# Altium PCB ZhuKong.PcbDoc (part 1 of 6)
Units mm, origin at the board's own origin, x right, y up, seen from the top; angles counter-clockwise.
Board outline 178.45 x 113.25 mm, 2 copper layers (Top Layer, Bottom Layer); 395 components, 351 nets, 1367 pads, 848 vias.
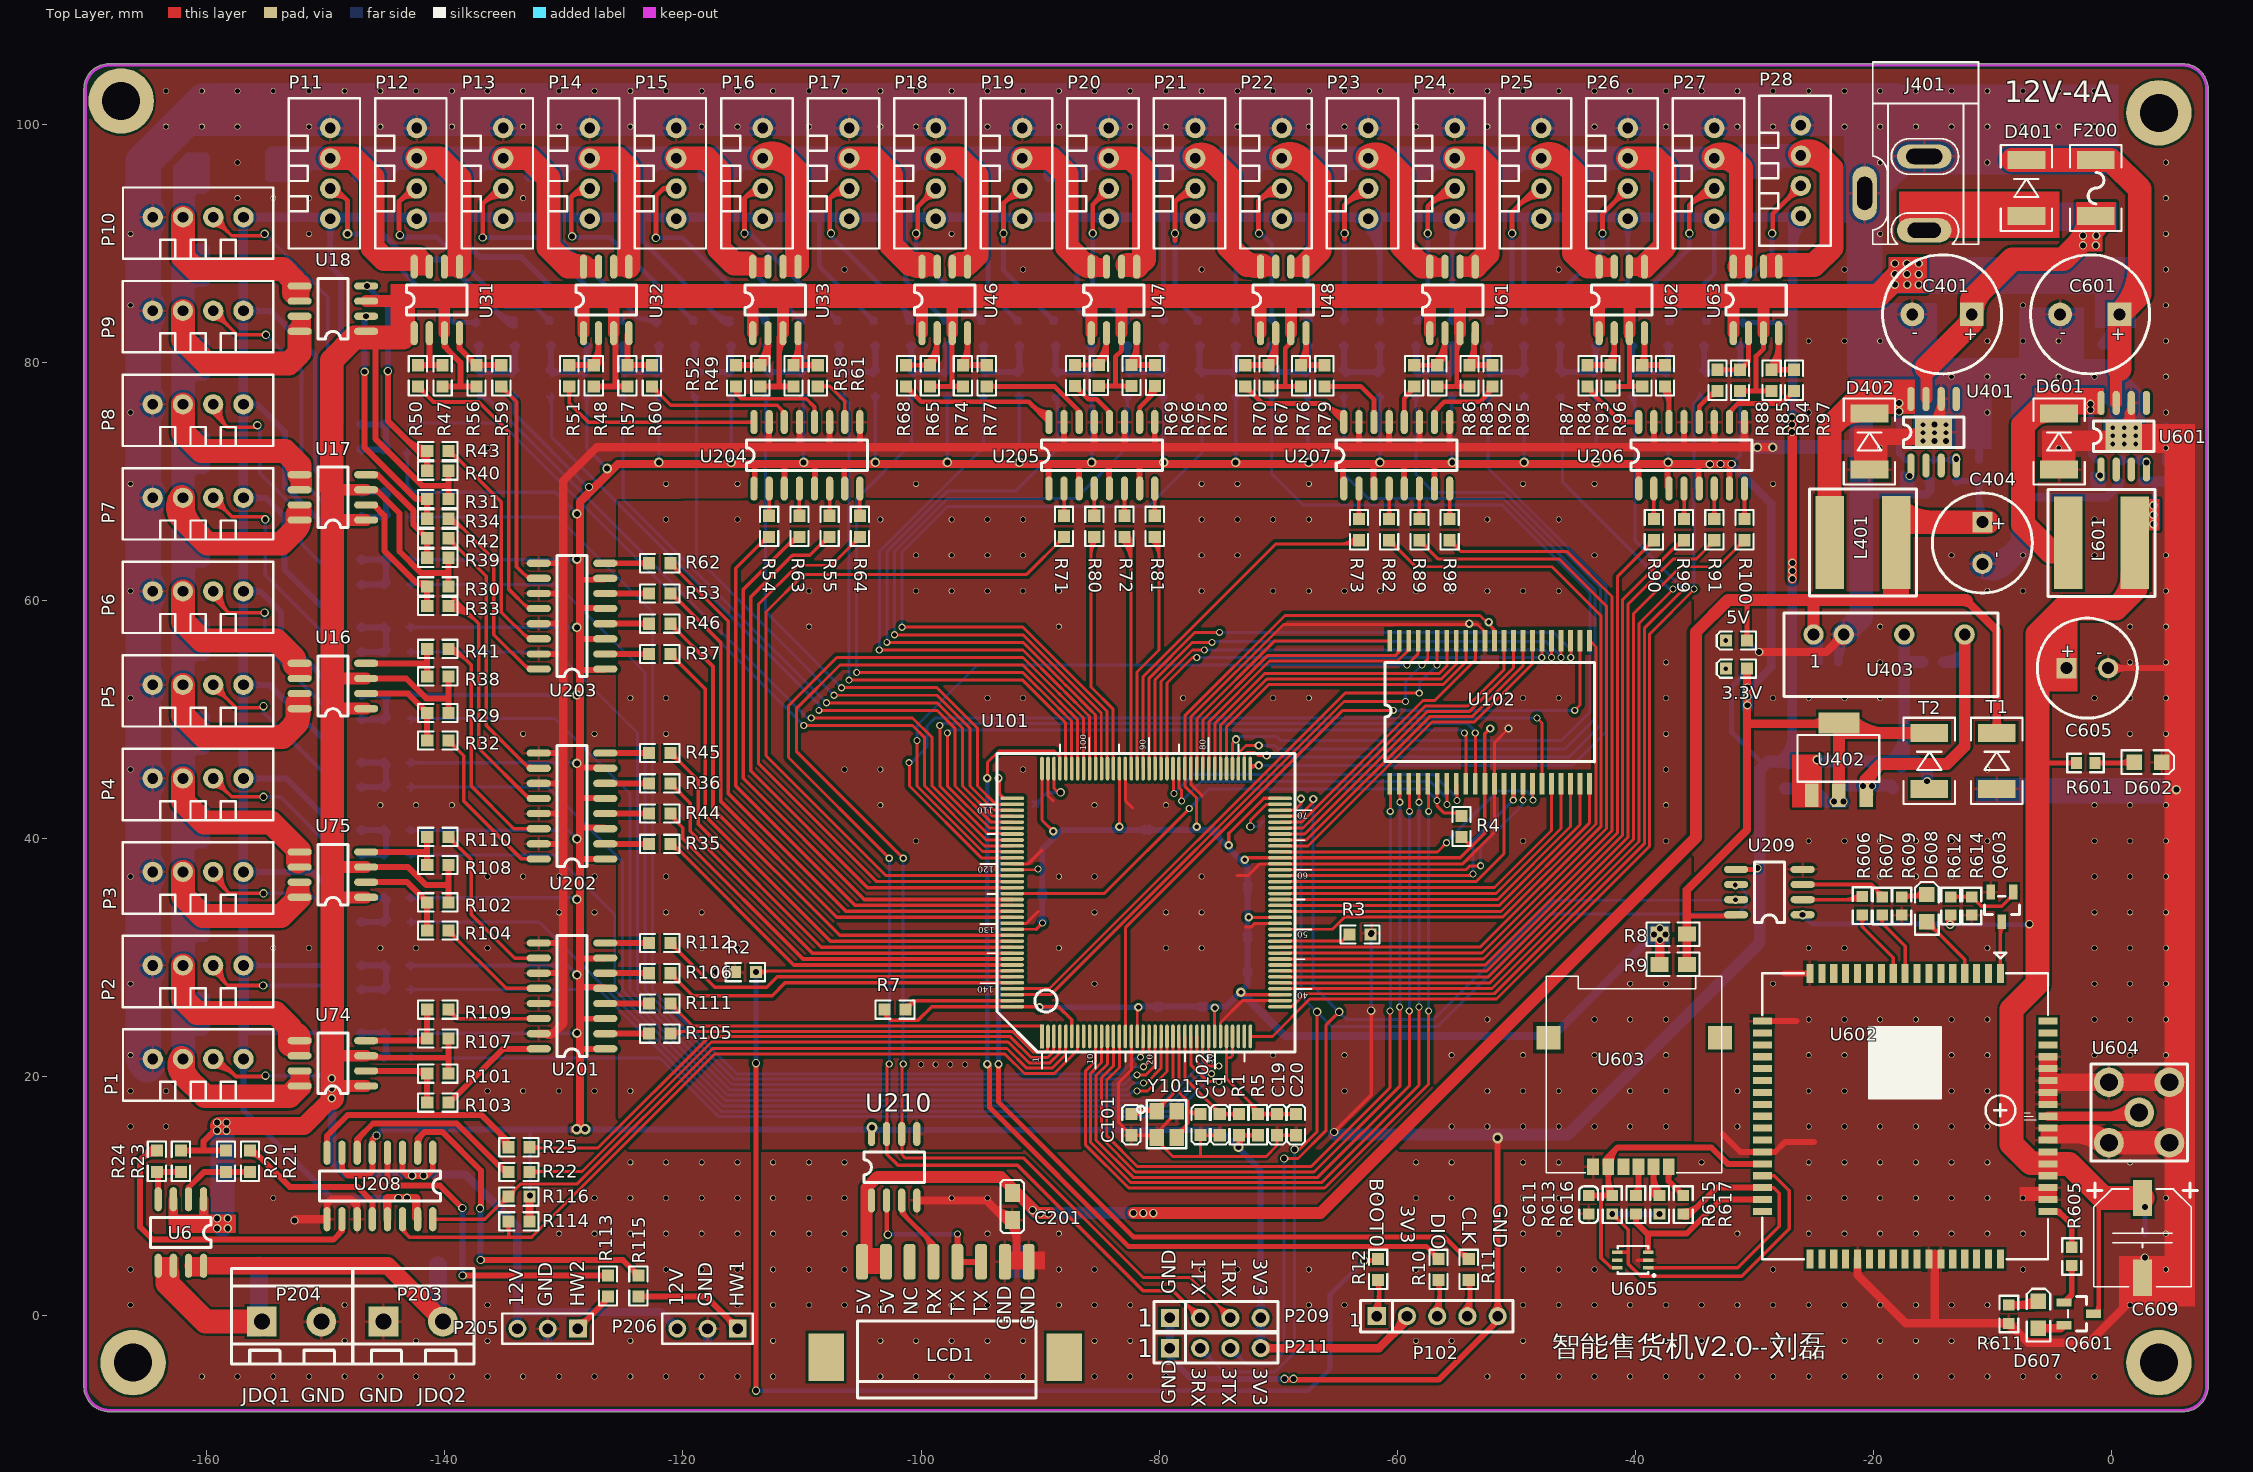
[diagram p0: Top Layer view]
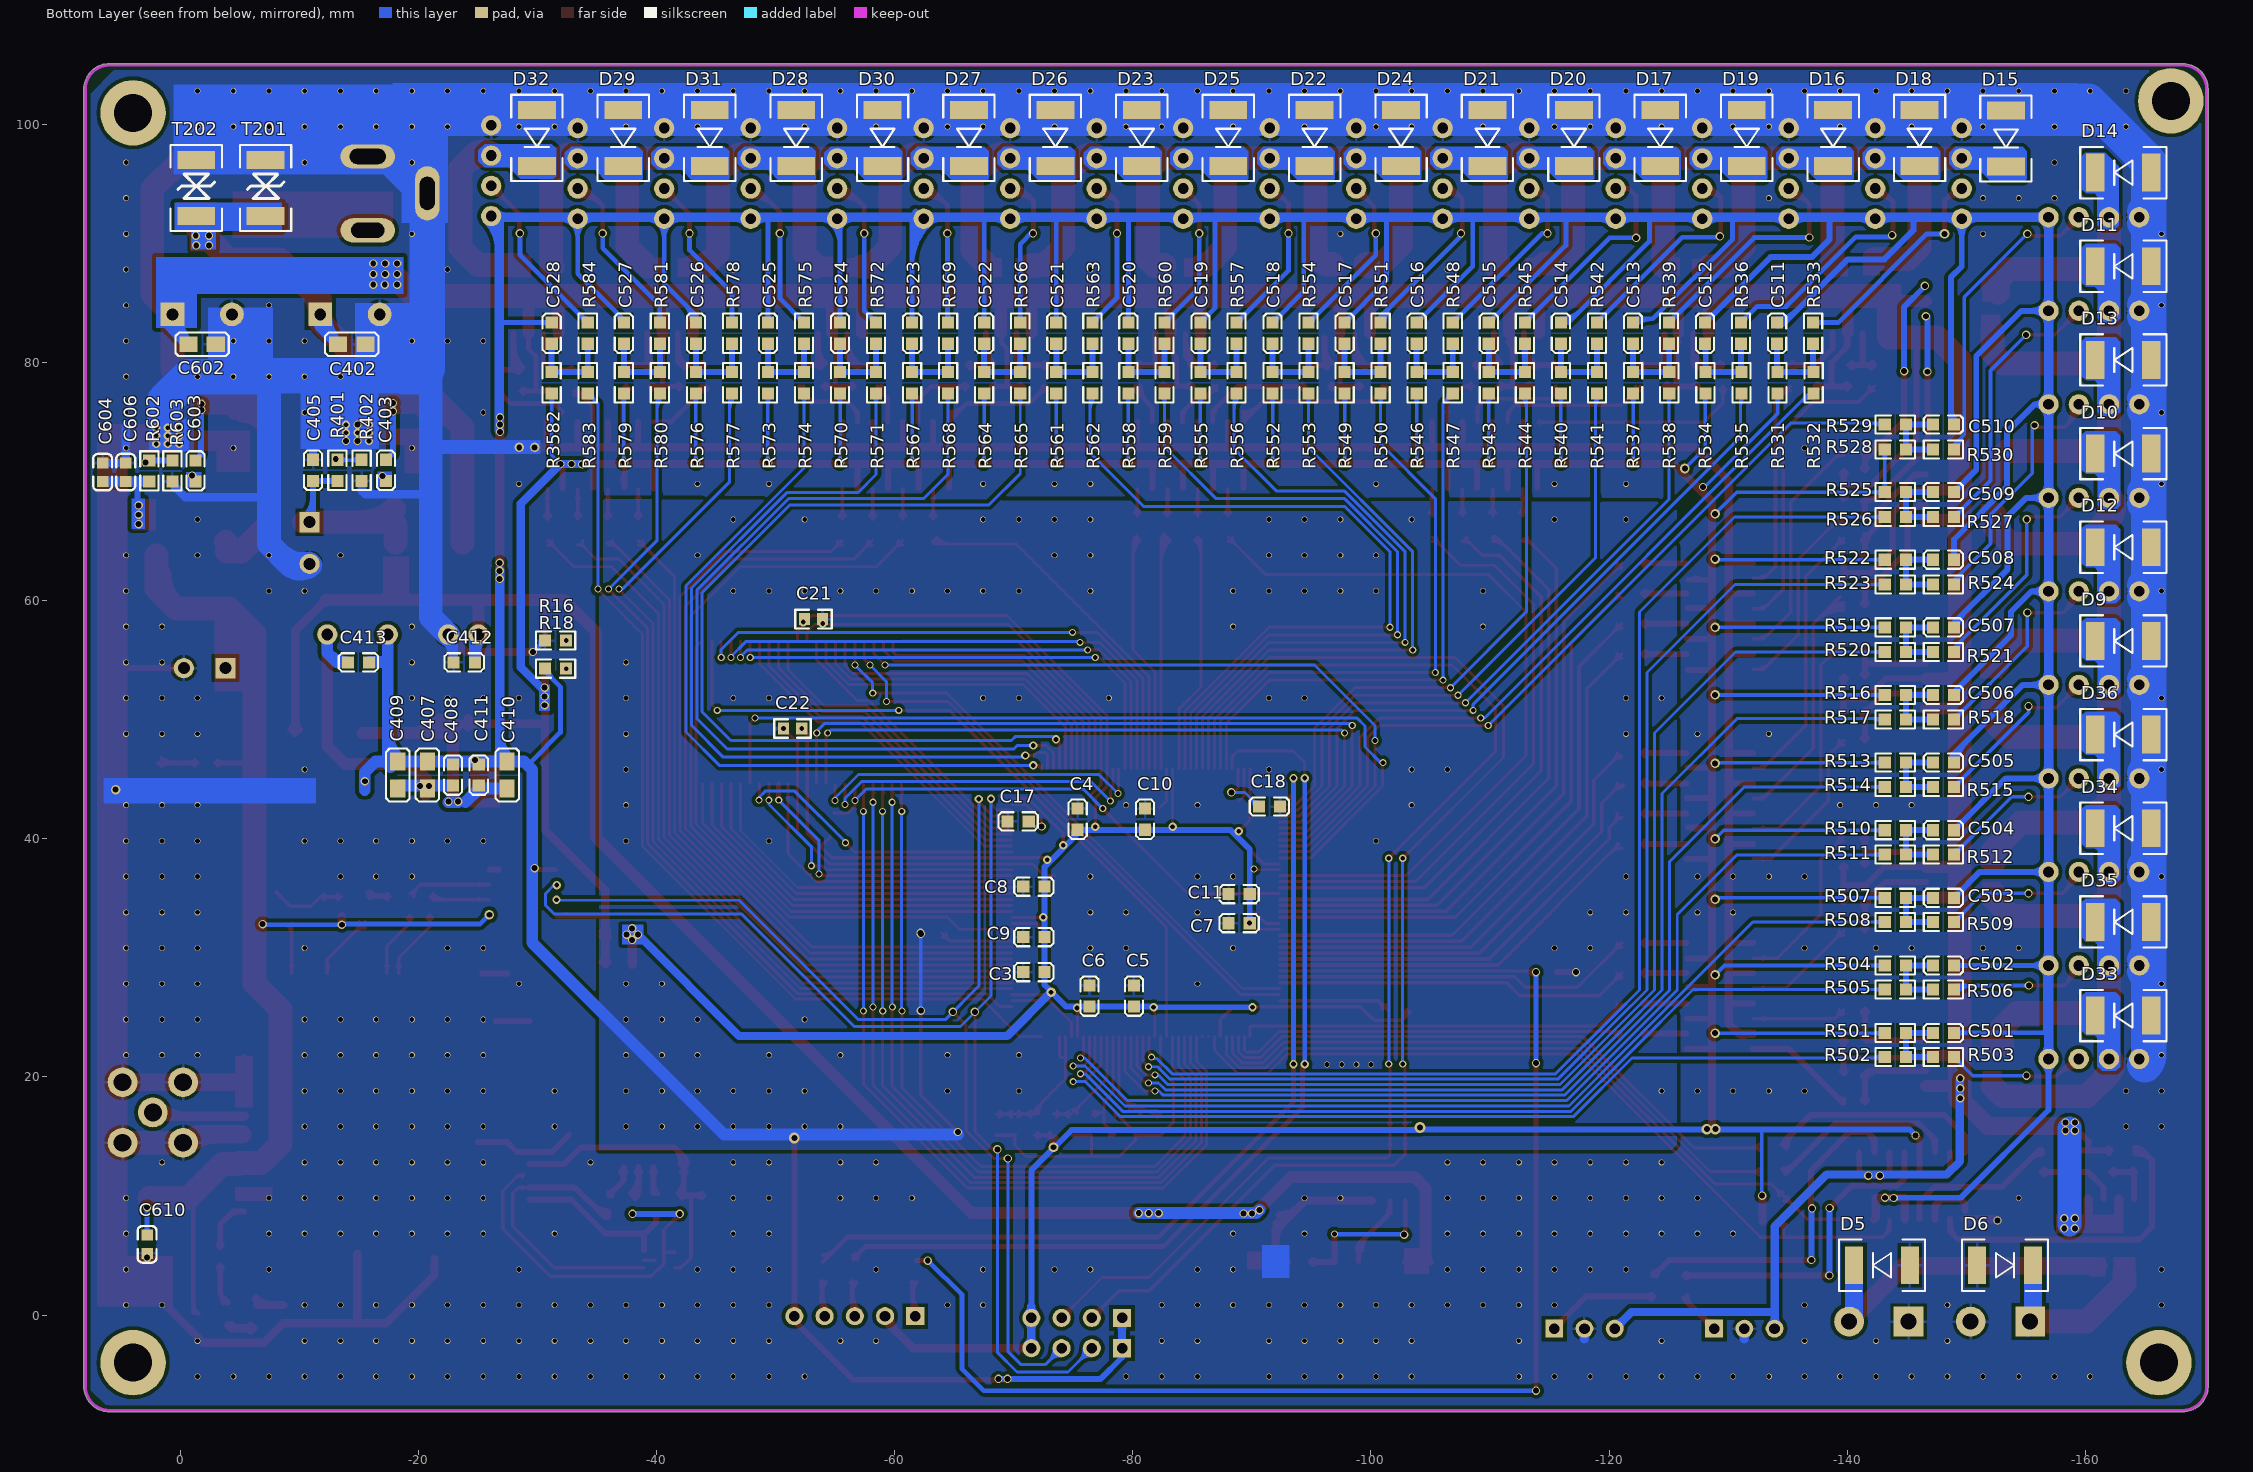
[diagram p1: Bottom Layer view, seen from below]

## Layer stack, top to bottom
Top Solder: solder mask 0.0102, Solder Resist, Dk 3.5
Top Layer: signal copper 0.0356
Dielectric1: dielectric 0.32, FR-4, Dk 4.8
Bottom Layer: signal copper 0.0356
Bottom Solder: solder mask 0.0102, Solder Resist, Dk 3.5

## Board outline
-170.323,-6.034 cw(c-170.2,-6) -170.327,-6 -170.327,103 cw(c-168.2,103) -168.2,105.127 6,105.127 cw(c6,103) 8.127,103 8.127,-6 ccw(c8,-6) 8.127,-5.999 8.127,-6 cw(c6,-6) 6,-8.127 cw(c6,-8) 5.999,-8.127 -168.197,-8.127 cw(c-168.2,-6) -170.326,-6.069 cw(c-170.199,-6.065)

## Design rules (kind name [scope] priority, off if disabled: settings)
Clearance [All] p1: gap=0.2 ignorepadtopadclearanceinfootprint=FALSE except(0: Arc-Hole Track-Hole SMDPad-Hole THPad-Hole Via-Hole Fill-Hole Poly-Hole Region-Hole Text-Hole)
PolygonConnect VIA [IsVia] p1: connectstyle=Direct reliefconductorwidth=0.254 reliefentries=4 polygonreliefangle="90 Angle" airgapwidth=0.254
PolygonConnect [All] p2: connectstyle=Relief reliefconductorwidth=0.254 reliefentries=4 polygonreliefangle="90 Angle" airgapwidth=0.254
RoutingVias [All] p1: holewidth=0.5 width=0.7 viastyle="Through Hole" minholewidth=0.1 minwidth=0.2 maxholewidth=5 maxwidth=5
SolderMaskExpansion [All] p1: expansion=0.102
Width [All] p1: maxlimit=5 minlimit=0.2 preferedwidth=0.254
30 further rules are at their usual default settings.

## Classes and differential pairs
component class 06_GPRS: C601 C602 C603 C604 C605 C606 C609 C610 C611 D601 D602 D607 D608 L601 Q601 Q603 R601 R602 R603 R605 R606 R607 R609 R611 R612 R613 R614 R615 R616 R617 U209 U601 U602 U603 U604 U605
component class 01_MCU: C1 C3 C4 C5 C6 C7 C8 C9 C10 C11 C17 C18 C19 C20 C21 C22 C101 C102 P102 R1 R2 R3 R4 R5 R7 R8 R9 R10 R11 R12 U101 U102 Y101
component class 02_MISC: 3.3V 5V C201 D5 D6 LCD1 P203 P204 P205 P206 P209 P211 R16 R18 R20 R21 R22 R23 R24 R25 R113 R114 R115 R116 T1 T2 U6 U208 U210
component class 03_DO: D9 D10 D11 D12 D13 D14 D15 D16 D17 D18 D19 D20 D21 D22 D23 D24 D25 D26 D27 D28 D29 D30 D31 D32 D33 D34 D35 D36 P1 P2 P3 P4 P5 P6 P7 P8 P9 P10 P11 P12 P13 P14 P15 P16 P17 P18 P19 P20 P21 P22 P23 P24 P25 P26 P27 P28 R29 R30 R31 R32 R33 R34 R35 R36 R37 R38 R39 R40 R41 R42 R43 R44 R45 R46 R47 R48 R49 R50 R51 R52 R53 R54 R55 R56 R57 R58 R59 R60 R61 R62 R63 R64 R65 R66 R67 R68 R69 R70 R71 R72 R73 R74 R75 R76 R77 R78 R79 R80 R81 R82 R83 R84 R85 R86 R87 R88 R89 R90 R91 R92 R93 R94 R95 R96 R97 R98 R99 R100 R101 R102 R103 R104 R105 R106 R107 R108 R109 R110 R111 R112 U16 U17 U18 U31 U32 U33 U46 U47 U48 U61 U62 U63 U74 U75 U201 U202 U203 U204 U205 U206 U207
component class 04_Power: C401 C402 C403 C404 C405 C407 C408 C409 C410 C411 C412 C413 D401 D402 F200 J401 L401 R401 R402 T201 T202 U401 U402 U403
component class 05_FEED: C501 C502 C503 C504 C505 C506 C507 C508 C509 C510 C511 C512 C513 C514 C515 C516 C517 C518 C519 C520 C521 C522 C523 C524 C525 C526 C527 C528 R501 R502 R503 R504 R505 R506 R507 R508 R509 R510 R511 R512 R513 R514 R515 R516 R517 R518 R519 R520 R521 R522 R523 R524 R525 R526 R527 R528 R529 R530 R531 R532 R533 R534 R535 R536 R537 R538 R539 R540 R541 R542 R543 R544 R545 R546 R547 R548 R549 R550 R551 R552 R553 R554 R555 R556 R557 R558 R559 R560 R561 R562 R563 R564 R565 R566 R567 R568 R569 R570 R571 R572 R573 R574 R575 R576 R577 R578 R579 R580 R581 R583 R584 R3582

## Components (designator, comment, footprint, x,y, rotation, side; value= is the part's Value field where it differs from the comment)
3.3V "LED0603" 0603LED -31.496,54.305 r0 top
5V "LED0603" 0603LED -31.496,56.667 r0 top
C1 "100nF" 0603C -74.902,15.992 r90 top
C3 "100nF" 0603C -71.679,28.804 r0 bottom
C4 "100nF" 0603C -75.362,41.656 r90 bottom
C5 "100nF" 0603C -80.086,26.797 r90 bottom
C6 "100nF" 0603C -76.352,26.797 r90 bottom
C7 "100nF" 0603C -88.925,32.918 r0 bottom
C8 "100nF" 0603C -71.679,35.992 r0 bottom
C9 "100nF" 0603C -71.679,31.75 r0 bottom
C10 "100nF" 0603C -81.026,41.656 r90 bottom
C11 "100nF" 0603C -88.925,35.357 r0 bottom
C17 "225" 0603C -70.358,41.478 r180 bottom
C18 "225" 0603C -91.465,42.723 r0 bottom
C19 "10uF" 0603C -70.092,15.992 r270 top
C20 "100nF" 0603C -68.489,15.992 r270 top
C21 "100nF" LC-0603_R -53.162,58.471 r180 bottom
C22 "100nF" LC-0603_R -51.41,49.276 r0 bottom
C101 "10pF/50V" 0603C -82.329,15.992 r90 top
C102 "10pF/50V" 0603C -76.505,16.002 r90 top
C201 "0.1uF/50V" 0805C -92.329,9.119 r270 top
C401 "220uF/50V" RB050-100 -14.224,84.074 r180 top
C402 "0.1uF/50V" 0805C -14.376,81.559 r180 bottom
C403 "0.01uF/50V" 0603C -17.247,70.968 r90 bottom
C404 "1000uF/10V" RB035-080 -10.82,66.599 r270 top
C405 "1uF" 0603C -11.125,70.968 r270 bottom
C407 "10uF/10V" 0805C -20.726,45.364 r90 bottom
C408 "10uF/10V" 0603C -22.885,45.364 r90 bottom
C409 "0.1uF/50V" 0805C -18.237,45.364 r90 bottom
C410 "10uF/10V" 0805C -27.432,45.364 r90 bottom
C411 "0.1uF/50V" 0603C -25.044,45.364 r90 bottom
C412 "4.7uF" 0603C -23.825,54.839 r0 bottom
C413 "10uF" 0603C -14.935,54.839 r0 bottom
C501 "0.1uF" 0603C -148.09,23.688 r180 bottom
C502 "0.1uF" 0603C -148.09,29.369 r180 bottom
C503 "0.1uF" 0603C -148.09,35.05 r180 bottom
C504 "0.1uF" 0603C -148.09,40.731 r180 bottom
C505 "0.1uF" 0603C -148.09,46.413 r180 bottom
C506 "0.1uF" 0603C -148.09,52.094 r180 bottom
C507 "0.1uF" 0603C -148.09,57.775 r180 bottom
C508 "0.1uF" 0603C -148.09,63.456 r180 bottom
C509 "0.1uF" 0603C -148.09,69.137 r180 bottom
C510 "0.1uF" 0603C -148.09,74.818 r180 bottom
C511 "0.1uF" 0603C -134.121,82.489 r90 bottom
C512 "0.1uF" 0603C -128.066,82.489 r90 bottom
C513 "0.1uF" 0603C -122.01,82.489 r90 bottom
C514 "0.1uF" 0603C -115.954,82.489 r90 bottom
C515 "0.1uF" 0603C -109.898,82.489 r90 bottom
C516 "0.1uF" 0603C -103.843,82.489 r90 bottom
C517 "0.1uF" 0603C -97.787,82.489 r90 bottom
C518 "0.1uF" 0603C -91.731,82.489 r90 bottom
C519 "0.1uF" 0603C -85.675,82.489 r90 bottom
C520 "0.1uF" 0603C -79.62,82.489 r90 bottom
C521 "0.1uF" 0603C -73.564,82.489 r90 bottom
C522 "0.1uF" 0603C -67.508,82.489 r90 bottom
C523 "0.1uF" 0603C -61.452,82.489 r90 bottom
C524 "0.1uF" 0603C -55.397,82.489 r90 bottom
C525 "0.1uF" 0603C -49.341,82.489 r90 bottom
C526 "0.1uF" 0603C -43.285,82.489 r90 bottom
C527 "0.1uF" 0603C -37.229,82.489 r90 bottom
C528 "0.1uF" 0603C -31.174,82.489 r90 bottom
C601 "220uF/50V" RB050-100 -1.803,84.074 r180 top
C602 "100nF" 0805C -1.803,81.559 r180 bottom
C603 "0.01uF/50V" 0603C -1.245,70.917 r90 bottom
C604 "10uF(0805)" LC-0603_C 6.553,70.812 r90 bottom
C605 "1000uF/10V" RB035-080 -3.759,54.356 r0 top
C606 "0.1uF" LC-0603_C 4.614,70.812 r270 bottom
C609 "470uF" CAP_10*10 2.743,6.426 r90 top
C610 "100nF" LC-0603_C 2.819,5.944 r270 bottom
C611 "220nF" LC-0603_C -43.917,9.271 r270 top
D5 "1N4148" D1812 -142.926,4.181 r0 bottom
D6 "1N4148" D1812 -153.271,4.181 r180 bottom
D9 "SS34" D1812 -163.203,56.635 r0 bottom
D10 "SS34" D1812 -163.203,72.371 r0 bottom
D11 "SS34" D1812 -163.203,88.108 r0 bottom
D12 "SS34" D1812 -163.203,64.503 r0 bottom
D13 "SS34" D1812 -163.203,80.24 r0 bottom
D14 "SS34" D1812 -163.203,95.976 r0 bottom
D15 "SS34" D1812 -153.347,98.847 r270 bottom
D16 "SS34" D1812 -138.828,98.897 r270 bottom
D17 "SS34" D1812 -124.308,98.897 r270 bottom
D18 "SS34" D1812 -146.087,98.897 r270 bottom
D19 "SS34" D1812 -131.568,98.897 r270 bottom
D20 "SS34" D1812 -117.048,98.897 r270 bottom
D21 "SS34" D1812 -109.788,98.897 r270 bottom
D22 "SS34" D1812 -95.268,98.897 r270 bottom
D23 "SS34" D1812 -80.748,98.897 r270 bottom
D24 "SS34" D1812 -102.528,98.897 r270 bottom
D25 "SS34" D1812 -88.008,98.897 r270 bottom
D26 "SS34" D1812 -73.488,98.897 r270 bottom
D27 "SS34" D1812 -66.228,98.897 r270 bottom
D28 "SS34" D1812 -51.709,98.897 r270 bottom
D29 "SS34" D1812 -37.189,98.897 r270 bottom
D30 "SS34" D1812 -58.968,98.897 r270 bottom
D31 "SS34" D1812 -44.449,98.897 r270 bottom
D32 "SS34" D1812 -29.929,98.897 r270 bottom
D33 "SS34" D1812 -163.203,25.161 r0 bottom
D34 "SS34" D1812 -163.203,40.898 r0 bottom
D35 "SS34" D1812 -163.203,33.03 r0 bottom
D36 "SS34" D1812 -163.203,48.766 r0 bottom
D401 "SS34" D1812 -7.137,94.691 r90 top
D402 "SS36" D1812 -20.32,73.381 r90 top
D601 "SS36" D1812 -4.394,73.381 r90 top
D602 "LED-0805" 0805LED 3.073,46.457 r180 top
D607 "LED-0805" 0805LED -6.121,0.025 r270 top
D608 "LED-0805" 0805LED -15.494,34.188 r270 top
F200 "XF110 2A/60V" FUSE1 -1.309,94.691 r270 top
J401 "12V" DC10B -20.041,101.778 r270 top
L401 "NR8040T150M" NR8040 -20.853,64.922 r0 top
L601 "NR8040T150M" NR8040 -0.813,64.897 r0 top
LCD1 "LCD屏幕" lcd_JIEKOU -97.968,4.47 r270 top
P1 "Header 4" XH2.54-1*10 -160.477,21.006 r0 top
P2 "Header 4" XH2.54-1*10 -160.485,28.863 r0 top
P3 "Header 4" XH2.54-1*10 -160.485,36.72 r0 top
P4 "Header 4" XH2.54-1*10 -160.485,44.577 r0 top
P5 "Header 4" XH2.54-1*10 -160.485,52.434 r0 top
P6 "Header 4" XH2.54-1*10 -160.485,60.291 r0 top
P7 "Header 4" XH2.54-1*10 -160.485,68.148 r0 top
P8 "Header 4" XH2.54-1*10 -160.485,76.005 r0 top
P9 "Header 4" XH2.54-1*10 -160.485,83.862 r0 top
P10 "Header 4" XH2.54-1*10 -160.477,91.719 r0 top
P11 "Header 4" XH2.54-1*10 -150.139,95.656 r270 top
P12 "Header 4" XH2.54-1*10 -142.872,95.656 r270 top
P13 "Header 4" XH2.54-1*10 -135.605,95.656 r270 top
P14 "Header 4" XH2.54-1*10 -128.337,95.656 r270 top
P15 "Header 4" XH2.54-1*10 -121.07,95.656 r270 top
P16 "Header 4" XH2.54-1*10 -113.802,95.656 r270 top
P17 "Header 4" XH2.54-1*10 -106.535,95.656 r270 top
P18 "Header 4" XH2.54-1*10 -99.268,95.656 r270 top
P19 "Header 4" XH2.54-1*10 -92,95.656 r270 top
P20 "Header 4" XH2.54-1*10 -84.733,95.656 r270 top
P21 "Header 4" XH2.54-1*10 -77.466,95.656 r270 top
P22 "Header 4" XH2.54-1*10 -70.198,95.656 r270 top
P23 "Header 4" XH2.54-1*10 -62.931,95.656 r270 top
P24 "Header 4" XH2.54-1*10 -55.663,95.656 r270 top
P25 "Header 4" XH2.54-1*10 -48.396,95.656 r270 top
P26 "Header 4" XH2.54-1*10 -41.129,95.656 r270 top
P27 "Header 4" XH2.54-1*10 -33.861,95.656 r270 top
P28 "Header 4" XH2.54-1*10 -26.594,95.885 r270 top
P102 "CON5" SIP5 -61.715,-0.094 r0 top
P203 "Header 2" HEAD2L-0.8 -145.169,-0.544 r0 top
P204 "Header 2" HEAD2L-0.8 -155.379,-0.544 r0 top
P205 "Header 3" HDR1X3 -128.829,-1.143 r180 top
P206 "Header 3" HDR1X3 -115.392,-1.143 r180 top
P209 "CON4" SIP4 -79.088,-0.244 r0 top
P211 "CON4" SIP4 -79.088,-2.784 r0 top
Q601 "SS8050 Y1" LC-SOT-23(SOT-23-3) -2.743,0.102 r180 top
Q603 "SS8050 Y1" LC-SOT-23(SOT-23-3) -9.195,34.29 r90 top
R1 "10K" 0603R -73.298,15.992 r270 top
R2 "10K" 0603R -114.757,28.804 r180 top
R3 "10K" 0603R -63.124,31.979 r0 top
R4 "10K" 0603R -54.585,41.046 r270 top
R5 "10R" 0603R -71.695,15.992 r270 top
R7 "0R" 0603R -102.184,25.654 r180 top
R8 "0R" 0805R -36.805,32.004 r180 top
R9 "0R" 0805R -36.805,29.464 r180 top
R10 "100R" 0603R -56.525,3.835 r270 top
R11 "100R" 0603R -53.985,3.835 r270 top
R12 "100R" 0603R -61.595,3.835 r270 top
R16 "2k" 0603R -31.496,56.667 r180 bottom
R18 "1k" 0603R -31.496,54.305 r180 bottom
R20 "4.7K" 0603R -158.393,12.921 r90 top
R21 "200R" 0603R -156.378,12.921 r270 top
R22 "680R" 0603R -133.782,12.023 r180 top
R23 "4.7K" 0603R -162.186,12.921 r90 top
R24 "200R" 0603R -164.201,12.921 r270 top
R25 "680R" 0603R -133.782,14.097 r180 top
R29 "4.7K" 0603R -140.597,50.586 r0 top
R30 "4.7K" 0603R -140.597,61.218 r0 top
R31 "4.7K" 0603R -140.597,68.541 r0 top
R32 "200R" 0603R -140.597,48.276 r180 top
R33 "200R" 0603R -140.597,59.578 r180 top
R34 "200R" 0603R -140.597,66.901 r180 top
R35 "680R" 0603R -121.953,39.588 r180 top
R36 "680R" 0603R -121.953,44.668 r180 top
R37 "680R" 0603R -121.953,55.54 r180 top
R38 "4.7K" 0603R -140.597,53.657 r0 top
R39 "4.7K" 0603R -140.597,63.62 r0 top
R40 "4.7K" 0603R -140.597,70.932 r0 top
R41 "200R" 0603R -140.597,55.967 r180 top
R42 "200R" 0603R -140.597,65.261 r180 top
R43 "200R" 0603R -140.597,72.583 r180 top
R44 "680R" 0603R -121.953,42.128 r180 top
R45 "680R" 0603R -121.953,47.208 r180 top
R46 "680R" 0603R -121.953,58.08 r180 top
R47 "4.7K" 0603R -140.19,78.908 r270 top
R48 "4.7K" 0603R -127.495,78.908 r270 top
R49 "4.7K" 0603R -113.505,78.908 r270 top
R50 "200R" 0603R -142.273,78.908 r90 top
R51 "200R" 0603R -129.554,78.908 r90 top
R52 "200R" 0603R -115.539,78.908 r90 top
R53 "680R" 0603R -121.953,60.62 r180 top
R54 "680R" 0603R -112.758,66.258 r90 top
R55 "680R" 0603R -107.678,66.258 r90 top
R56 "4.7K" 0603R -137.345,78.908 r270 top
R57 "4.7K" 0603R -124.675,78.908 r270 top
R58 "4.7K" 0603R -110.709,78.908 r270 top
R59 "200R" 0603R -135.263,78.908 r90 top
R60 "200R" 0603R -122.617,78.908 r90 top
R61 "200R" 0603R -108.675,78.908 r90 top
R62 "680R" 0603R -121.953,63.16 r180 top
R63 "680R" 0603R -110.218,66.258 r90 top
R64 "680R" 0603R -105.138,66.258 r90 top
R65 "4.7K" 0603R -99.261,78.908 r270 top
R66 "4.7K" 0603R -85.068,78.933 r270 top
R67 "4.7K" 0603R -70.798,78.908 r270 top
R68 "200R" 0603R -101.271,78.908 r90 top
R69 "200R" 0603R -87.053,78.933 r90 top
R70 "200R" 0603R -72.76,78.908 r90 top
R71 "680R" 0603R -87.985,66.258 r90 top
R72 "680R" 0603R -82.905,66.258 r90 top
R73 "680R" 0603R -63.211,65.979 r90 top
R74 "4.7K" 0603R -96.49,78.908 r270 top
R75 "4.7K" 0603R -82.321,78.933 r270 top
R76 "4.7K" 0603R -68.075,78.908 r270 top
R77 "200R" 0603R -94.48,78.908 r90 top
R78 "200R" 0603R -80.335,78.933 r90 top
R79 "200R" 0603R -66.114,78.908 r90 top
R80 "680R" 0603R -85.445,66.258 r90 top
R81 "680R" 0603R -80.365,66.258 r90 top
R82 "680R" 0603R -60.671,65.979 r90 top
R83 "4.7K" 0603R -56.631,78.908 r270 top
R84 "4.7K" 0603R -42.082,78.908 r270 top
R85 "4.7K" 0603R -31.19,78.527 r270 top
R86 "200R" 0603R -58.567,78.908 r90 top
R87 "200R" 0603R -43.994,78.908 r90 top
R88 "200R" 0603R -33.078,78.527 r90 top
R89 "680R" 0603R -58.131,65.979 r90 top
R90 "680R" 0603R -38.438,65.979 r90 top
R91 "680R" 0603R -33.358,65.979 r90 top
R92 "4.7K" 0603R -53.932,78.908 r270 top
R93 "4.7K" 0603R -39.407,78.908 r270 top
R94 "4.7K" 0603R -28.54,78.527 r270 top
R95 "200R" 0603R -51.995,78.908 r90 top
R96 "200R" 0603R -37.495,78.908 r90 top
R97 "200R" 0603R -26.652,78.527 r90 top
R98 "680R" 0603R -55.591,65.979 r90 top
R99 "680R" 0603R -35.898,65.979 r90 top
R100 "680R" 0603R -30.818,65.979 r90 top
R101 "4.7K" 0603R -140.597,20.281 r0 top
R102 "4.7K" 0603R -140.597,34.672 r0 top
R103 "200R" 0603R -140.597,17.846 r180 top
R104 "200R" 0603R -140.597,32.299 r180 top
R105 "680R" 0603R -121.953,23.637 r180 top
R106 "680R" 0603R -121.953,28.717 r180 top
R107 "4.7K" 0603R -140.597,23.224 r0 top
R108 "4.7K" 0603R -140.597,37.806 r0 top
R109 "200R" 0603R -140.597,25.659 r180 top
R110 "200R" 0603R -140.597,40.178 r180 top
R111 "680R" 0603R -121.953,26.177 r180 top
R112 "680R" 0603R -121.953,31.257 r180 top
R113 "2K2" 0603R -126.289,2.438 r90 top
R114 "10K" 0603R -133.782,7.874 r180 top
R115 "2K2" 0603R -123.749,2.438 r90 top
R116 "10K" 0603R -133.782,9.948 r180 top
R401 "10K" 0603R -13.166,70.968 r270 bottom
R402 "3K24" 0603R -15.206,70.968 r270 bottom
R501 "4K7" 0603R -144.051,23.688 r0 bottom
R502 "1K" 0603R -144.051,21.681 r180 bottom
R503 "1K" 0603R -148.09,21.681 r180 bottom
R504 "4K7" 0603R -144.051,29.369 r0 bottom
R505 "1K" 0603R -144.051,27.351 r180 bottom
R506 "1K" 0603R -148.09,27.351 r180 bottom
R507 "4K7" 0603R -144.051,35.05 r0 bottom
R508 "1K" 0603R -144.051,33.021 r180 bottom
R509 "1K" 0603R -148.09,33.021 r180 bottom
R510 "4K7" 0603R -144.051,40.731 r0 bottom
R511 "1K" 0603R -144.051,38.691 r180 bottom
R512 "1K" 0603R -148.09,38.691 r180 bottom
R513 "4K7" 0603R -144.051,46.413 r0 bottom
R514 "1K" 0603R -144.051,44.361 r180 bottom
R515 "1K" 0603R -148.09,44.361 r180 bottom
R516 "4K7" 0603R -144.051,52.094 r0 bottom
R517 "1K" 0603R -144.051,50.031 r180 bottom
R518 "1K" 0603R -148.09,50.031 r180 bottom
R519 "4K7" 0603R -144.051,57.775 r0 bottom
R520 "1K" 0603R -144.051,55.7 r180 bottom
R521 "1K" 0603R -148.09,55.7 r180 bottom
R522 "4K7" 0603R -144.051,63.456 r0 bottom
R523 "1K" 0603R -144.051,61.37 r180 bottom
R524 "1K" 0603R -148.09,61.37 r180 bottom
R525 "4K7" 0603R -144.051,69.137 r0 bottom
R526 "1K" 0603R -144.051,67.04 r180 bottom
R527 "1K" 0603R -148.09,67.04 r180 bottom
R528 "4K7" 0603R -144.051,72.71 r0 bottom
R529 "1K" 0603R -144.051,74.818 r180 bottom
R530 "1K" 0603R -148.09,72.71 r180 bottom
R531 "4K7" 0603R -134.16,78.323 r270 bottom
R532 "1K" 0603R -137.193,78.323 r90 bottom
R533 "1K" 0603R -137.149,82.489 r90 bottom
R534 "4K7" 0603R -128.093,78.323 r270 bottom
R535 "1K" 0603R -131.126,78.323 r90 bottom
R536 "1K" 0603R -131.093,82.489 r90 bottom
R537 "4K7" 0603R -122.026,78.323 r270 bottom
R538 "1K" 0603R -125.06,78.323 r90 bottom
R539 "1K" 0603R -125.038,82.489 r90 bottom
R540 "4K7" 0603R -115.96,78.323 r270 bottom
R541 "1K" 0603R -118.993,78.323 r90 bottom
R542 "1K" 0603R -118.982,82.489 r90 bottom
R543 "4K7" 0603R -109.898,78.323 r270 bottom
R544 "1K" 0603R -112.926,78.323 r90 bottom
R545 "1K" 0603R -112.926,82.489 r90 bottom
R546 "4K7" 0603R -103.843,78.323 r270 bottom
R547 "1K" 0603R -106.87,78.323 r90 bottom
R548 "1K" 0603R -106.87,82.489 r90 bottom
R549 "4K7" 0603R -97.787,78.323 r270 bottom
R550 "1K" 0603R -100.815,78.323 r90 bottom
R551 "1K" 0603R -100.815,82.489 r90 bottom
R552 "4K7" 0603R -91.731,78.323 r270 bottom
R553 "1K" 0603R -94.759,78.323 r90 bottom
R554 "1K" 0603R -94.759,82.489 r90 bottom
R555 "4K7" 0603R -85.675,78.323 r270 bottom
R556 "1K" 0603R -88.703,78.323 r90 bottom
R557 "1K" 0603R -88.703,82.489 r90 bottom
R558 "4K7" 0603R -79.62,78.323 r270 bottom
R559 "1K" 0603R -82.647,78.323 r90 bottom
R560 "1K" 0603R -82.647,82.489 r90 bottom